# Altium PCB 769BI_LTDC.PcbDoc (part 3 of 3)
Units mm, origin at the board's own origin, x right, y up, seen from the top; angles counter-clockwise.
Board outline 99 x 99 mm, 4 copper layers (Top Layer, GND, VCC_3, Bottom Layer), stack 0.778 mm thick; 232 components, 260 nets, 952 pads, 515 vias.
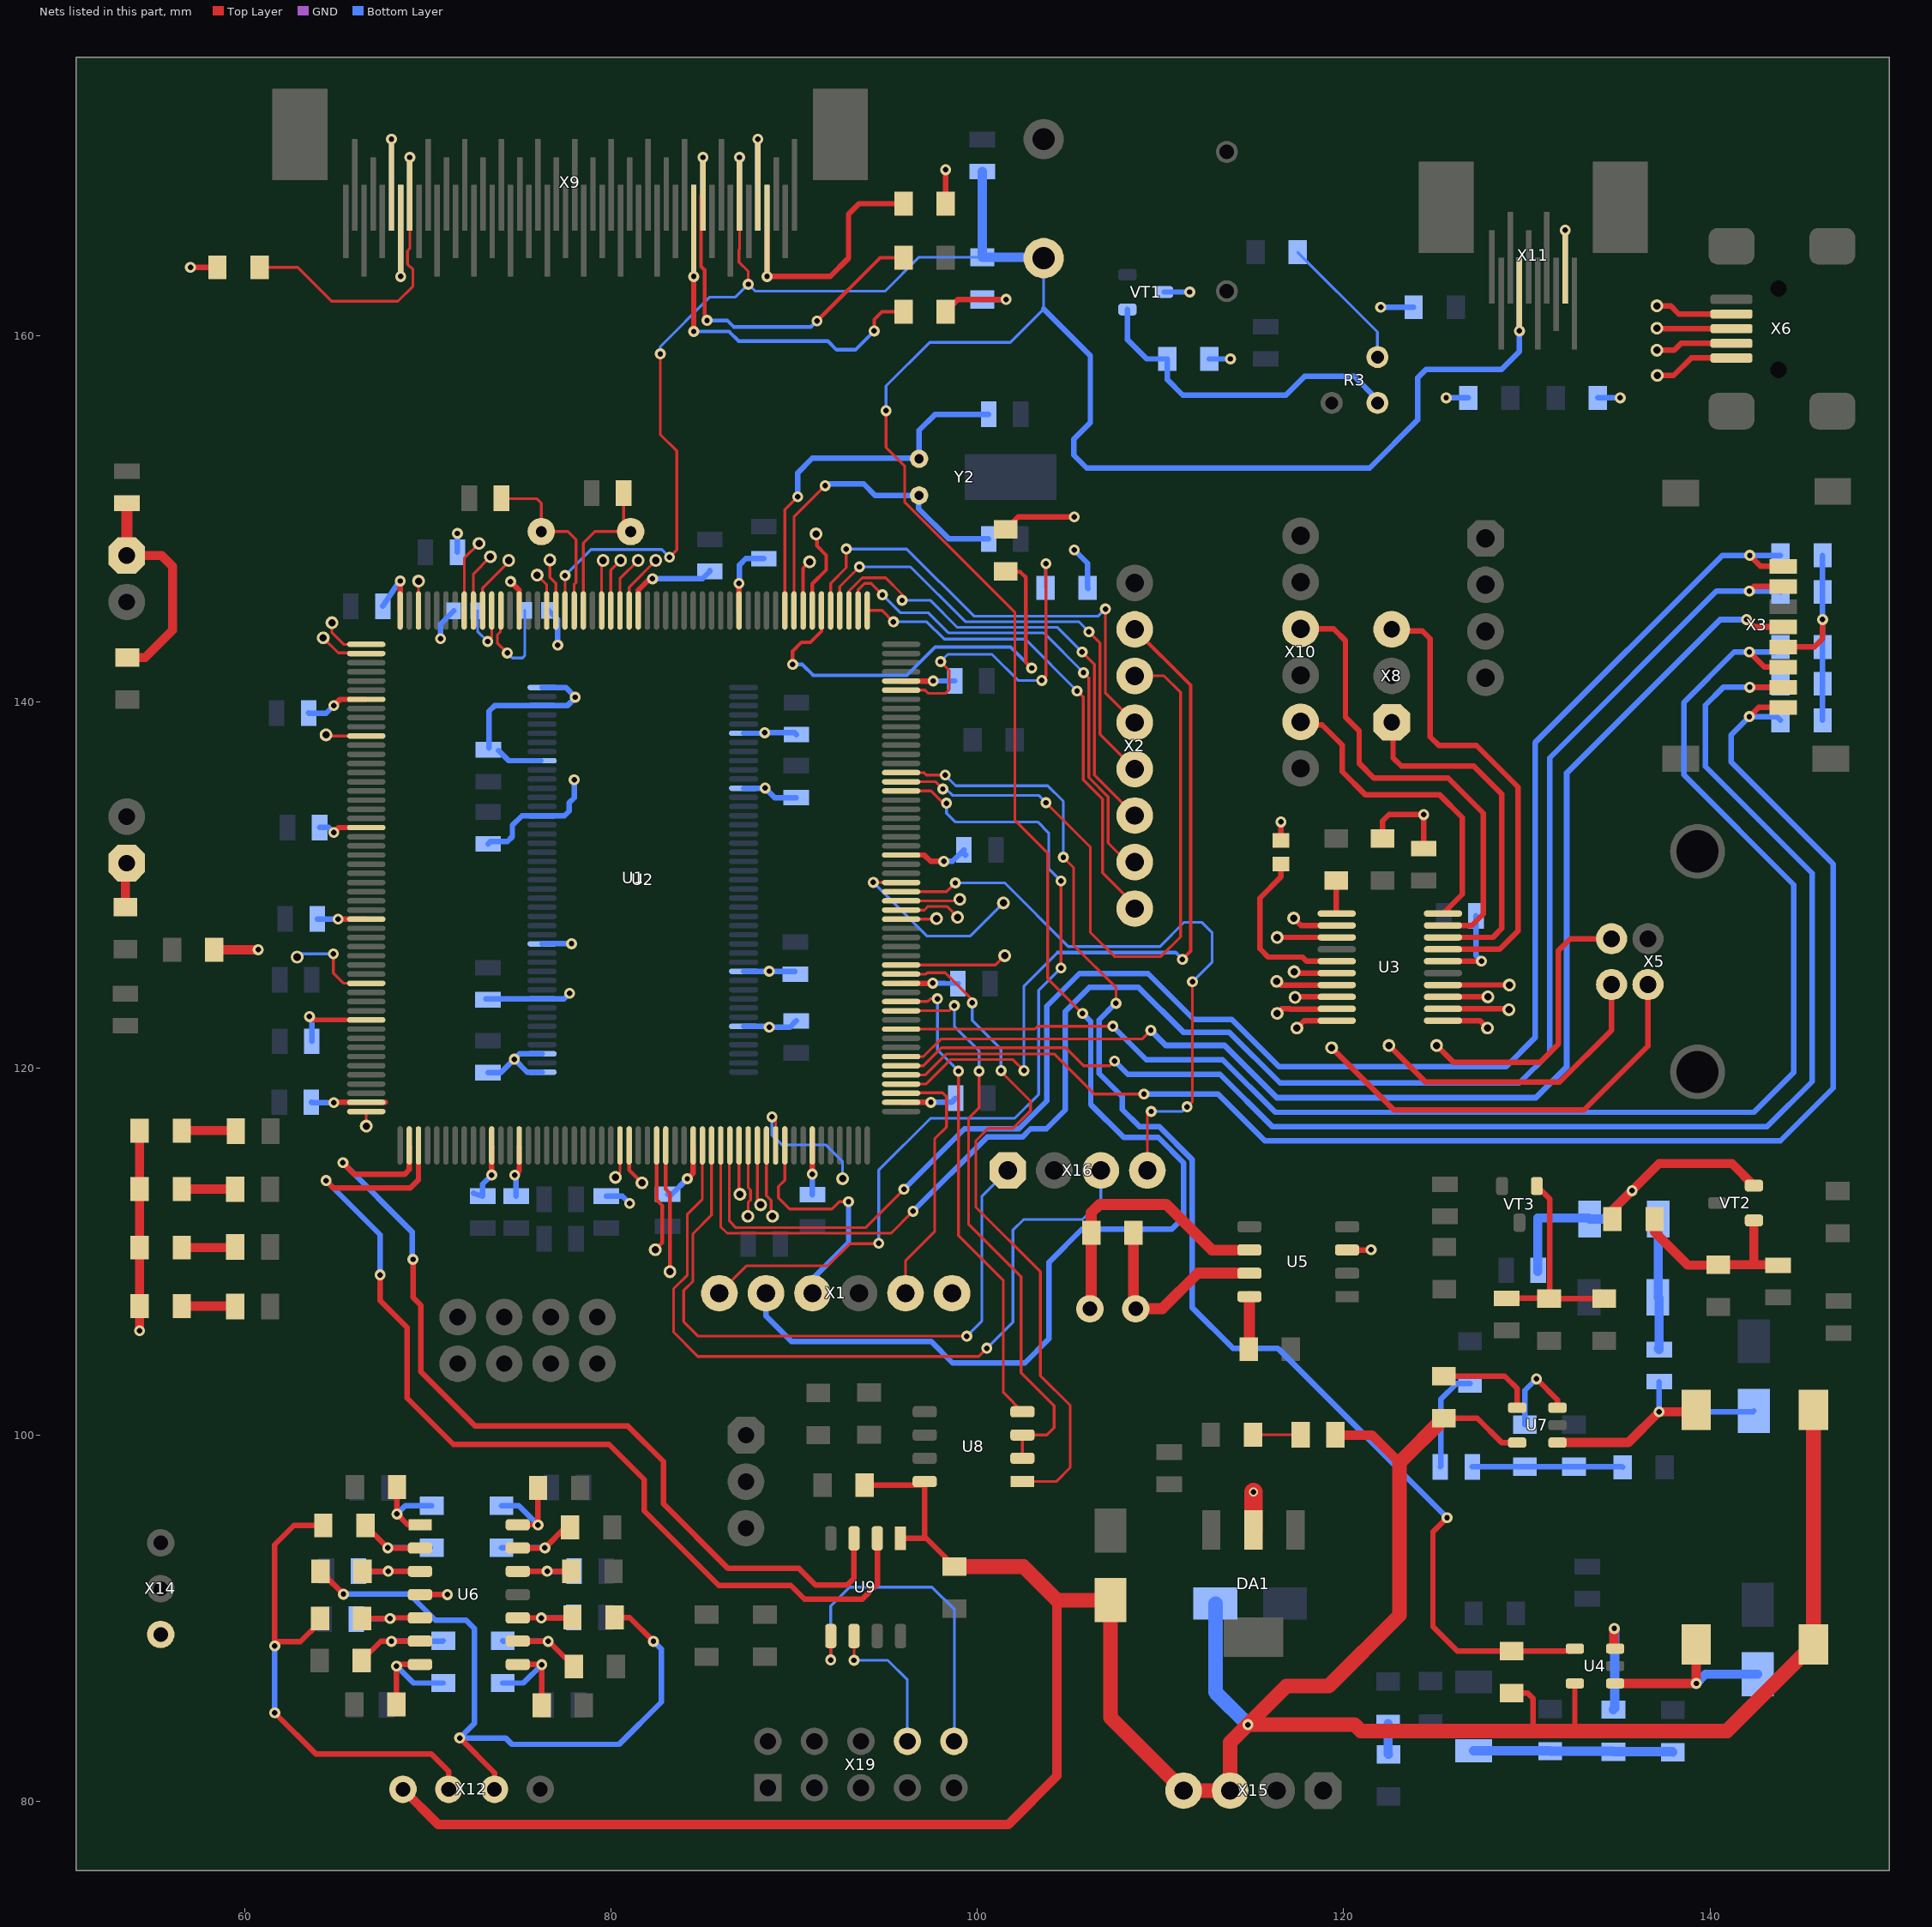
[diagram p5: the nets of this part, all layers, seen from the top]

## Via types
v1: diameter 0.6, hole 0.3, Top Layer to Bottom Layer, 509 vias
v2: diameter 3.5, hole 3.5, Top Layer to Bottom Layer, 4 vias
v3: diameter 0.5, hole 0.3, Top Layer to Bottom Layer, 2 vias

## Nets (pads, with @x,y where several pads share a name; then routed paths per layer and width w, separated by ;. In a path a pad name is that pad's centre, name@x,y a point inside that pad or via, vN(x,y) a via of type N, cw(c..) or ccw(c..) an arc to the next point about the centre after c; other vN are vias at no path point) (continued)
NetC40_1: C40.1 D1.1 R21.2 VT2.2 | length 18.5
  Top Layer w0.5: R21.2@134.675,111.775 134.675,112.25 v1(135.75,113.325) 137.225,114.8 141.2,114.8 VT2.2@142.4,113.6
  Bottom Layer w0.5: C40.1@130.6,108.9 130.6,111.825 133.375,111.825 D1.1@133.425,111.775 134.2,111.775 v1(135.75,113.325)
NetC41_2: C41.2 R21.1 R24.1 VT2.1 | length 10.7
  Top Layer w0.5: R21.1@136.975,111.775 136.975,111.075 138.8,109.25 140.375,109.25 140.425,109.3 R24.1@140.45,109.275 142.425,109.275 ; VT2.1@142.4,111.7 142.4,109.3 142.425,109.275 ; C41.2@143.725,109.25 143.7,109.275 142.425,109.275
NetC44_1: C44.1 L5.2 U7.1 VD3.2 | length 15.2
  Top Layer w0.5: U7.1@131.675,99.575 135.55,99.575 v1(137.225,101.25) 139.152,101.25 L5.2@139.25,101.348
  Bottom Layer w0.3: C44.1@137.225,102.9 v1(137.225,101.25) 142.35,101.25 VD3.2@142.4,101.3
NetC44_2: C44.2 D1.2 D2.1 | length 7.2
  Bottom Layer w0.5: C44.2@137.175,104.7 C44.2@137.225,104.65 137.225,107.45 137.175,107.5 D1.2@137.175,111.775
NetC46_2: C46.2 R32.1 U6.3 | length 4.8
  Top Layer w0.3: R32.1@66.45,92.55 v1(67.85,92.55) 69.578,92.55 U6.3@69.583,92.545
  Bottom Layer w0.3: C46.2@66.225,92.55 v1(67.85,92.55)
NetC47_1: C47.1 R37.1 R41.1 R50.2 | length 8.2
  Bottom Layer w0.3: C47.1@127.025,98.25 R41.1@129.9,98.25 R37.1@132.575,98.25 135.2,98.25 R50.2@135.225,98.225
NetC47_2: C47.2 R38.1 | length 5.6
  Bottom Layer w0.3: C47.2@125.275,98.25 125.3,98.275 125.3,101.925 126.175,102.8 R38.1@126.9,102.8
NetC48_2: C48.2 R39.1 R51.2 VT3.1 | length 11.7
  Top Layer w0.3: C48.2@128.9,107.45 R51.2@131.2,107.45 ; VT3.1@130.55,113.575 131.25,112.875 131.25,107.5 R51.2@131.2,107.45 ; R39.1@134.15,107.425 R51.2@131.225,107.425 R51.2@131.2,107.45
NetC51_2: C51.2 R54.1 U6.5 | length 5
  Top Layer w0.3: R54.1@66.425,89.975 v1(67.95,89.975) 67.98,90.005 U6.5@69.583,90.005
  Bottom Layer w0.3: C51.2@66.1,89.928 66.147,89.975 v1(67.95,89.975)
NetC53_2: C53.2 R61.1 U6.10 | length 4.9
  Top Layer w0.3: U6.10@74.937,90.025 U6.10@74.917,90.005 76.195,90.005 v1(76.2,90) 77.95,90 R61.1@77.975,89.975
  Bottom Layer w0.3: v1(76.2,90) 77.9,90 77.95,90.05 C53.2@77.975,90.025
NetC56_2: C56.2 R69.1 U6.12 | length 4.4
  Top Layer w0.3: U6.12@74.917,92.545 77.845,92.545 R69.1@77.85,92.55
  Bottom Layer w0.3: v1(76.525,92.55) C56.2@78,92.55
NetC57_1: C57.1 R71.1 X20.1 | length 12.2
  Top Layer w0.5: X20.1@53.575,147.995 55.48,147.995 56.075,147.4 56.075,143.925 54.575,142.425 R71.1@53.6,142.425
  Top Layer w0.6: X20.1@53.575,147.995 C57.1@53.575,150.85
NetD3_2: D3.2 R30.1 R33.1 R42.2 | length 10.9
  Bottom Layer w0.5: D3.2@127.1,82.75 131.25,82.75 R30.1@131.275,82.725 134.7,82.725 R33.1@134.725,82.7 137.95,82.7 R42.2@137.975,82.675
NetHL1_1: HL1.1 R23.2 | length 3
  Top Layer w0.5: R23.2@56.575,116.6 59.5,116.6 HL1.1@59.525,116.575
NetHL2_1: HL2.1 R29.2 | length 2.9
  Top Layer w0.5: R29.2@56.575,113.408 59.492,113.408 HL2.1@59.5,113.4
NetHL3_1: HL3.1 R35.2 | length 2.9
  Top Layer w0.5: R35.2@56.575,110.217 59.467,110.217 HL3.1@59.5,110.25
NetHL4_1: HL4.1 R40.2 | length 2.9
  Top Layer w0.5: R40.2@56.575,107.025 59.475,107.025 HL4.1@59.5,107
NetHL5_2: HL5.2 R55.2 | length 2.6
  Top Layer w0.152: R55.2@115.05,100 HL5.2@117.65,100
NetL1_1: L1.1 U1.41 | length 6.2
  Top Layer w0.152: U1.41@73.997,144.993 73.969,144.965 73.969,143.819 73.801,143.651 73.801,143.521 73.803,143.519 73.803,143.222 v1(74.35,142.675)
  Bottom Layer w0.152: v1(74.35,142.675) 74.625,142.4 75.175,142.4 75.3,142.525 L1.1@75.3,145
NetL2_1: L2.1 U1.42 | length 3.7
  Top Layer w0.152: v1(73.275,143.3) 73.497,143.522 U1.42@73.497,144.993
  Bottom Layer w0.152: L2.1@72.725,144.975 72.725,143.85 v1(73.275,143.3)
NetL3_2: L3.2 U3.5 | length 9.6
  Top Layer w0.3: L3.2@116.575,131.15 116.575,130.45 115.425,129.3 115.425,126.525 115.875,126.075 117.75,126.075 117.975,125.85 U3.5@119.625,125.85
NetL4_2: L4.2 U4.1 VD2.2 | length 10.1
  Top Layer w0.5: U4.1@134.825,86.425 v1(139.25,86.425) L4.2@139.25,88.55
  Bottom Layer w0.5: v1(139.25,86.425) 139.75,86.925 VD2.2@142.6,86.925
NetR1_1: R1.1 X9.8 | length 14.7
  Top Layer w0.152: R1.1@60.822,163.725 62.9,163.725 64.75,161.875 68.375,161.875 69.199,162.699 69.199,163.601 68.903,163.897 68.903,164.625 69.025,164.747 X9.8@69.025,167.725
  other v1: 69.025,169.725
NetR2_2: R2.2 R3.3 VT1.1 | length 18.3
  Bottom Layer w0.3: VT1.1@108.2,161.425 108.2,159.775 109.25,158.725 R2.2@110.375,158.725 110.375,157.6 111.225,156.75 116.85,156.75 117.875,157.775 120.575,157.775 121.85,156.5 R3.3@121.85,156.325
NetR3_2: R3.2 R4.2 | length 7.5
  Bottom Layer w0.152: R4.2@117.5,164.55 121.85,160.2 R3.2@121.85,158.825
NetR10_2: R10.2 U1.6 | length 24.6
  Top Layer w0.2: v1(89.925,142.05) 89.925,142.775 90.407,143.257 90.893,143.257 91.5,143.864 U1.6@91.5,145 ; R10.2@101.55,147.125 101.575,147.1 102.35,147.1 102.65,146.8 102.65,142.175 v1(102.975,141.85)
  Bottom Layer w0.2: v1(89.925,142.05) 90.45,142.05 91.047,141.453 96.153,141.453 97.7,143 101.825,143 v1(102.975,141.85)
NetR14_1: R14.1 X9.39 | length 18.6
  Top Layer w0.2: v1(94.375,160.25) 94.375,160.875 94.8,161.3 R14.1@95.975,161.3
  Top Layer w0.3: v1(84.525,160.225) v1(84.525,163.225) X9.39@84.525,165.725
  Bottom Layer w0.2: v1(84.525,160.225) 86.45,160.225 86.975,159.7 91.85,159.7 92.325,159.225 93.35,159.225 v1(94.375,160.25)
NetR15_1: R15.1 X9.40 | length 19.5
  Top Layer w0.2: X9.40@85.025,167.725 84.927,167.627 84.927,163.773 85.123,163.577 85.123,160.952 v1(85.25,160.825) ; v1(91.25,160.8) 94.7,164.25 R15.1@95.975,164.25
  Bottom Layer w0.2: v1(85.25,160.825) 86.348,160.825 86.699,160.474 90.924,160.474 v1(91.25,160.8)
  other v1: 85.025,169.725
NetR16_1: R16.1 X9.47 | length 13
  Top Layer w0.3: X9.47@88.525,165.725 v1(88.525,163.225) 91.975,163.225 92.975,164.225 92.975,166.625 93.55,167.2 R16.1@95.975,167.2
NetR17_2: R17.2 U3.1 | length 1.8
  Top Layer w0.3: R17.2@119.6,130.25 119.6,128.475 U3.1@119.625,128.45
NetR26_1: R26.1 R27.2 U6.2 | length 5.8
  Top Layer w0.3: R26.1@66.6,95.05 v1(67.825,93.825) 67.835,93.815 U6.2@69.583,93.815
  Bottom Layer w0.3: v1(67.825,93.825) R27.2@70.147,93.825
NetR27_1: R27.1 R31.2 U6.1 | length 5
  Top Layer w0.3: R31.2@68.325,97.15 v1(68.325,95.675) 68.905,95.095 U6.1@69.573,95.095
  Bottom Layer w0.3: v1(68.325,95.675) 68.775,96.125 R27.1@70.225,96.125
NetR28_1: R28.1 U5.8 | length 2.9
  Top Layer w0.6: R28.1@114.825,104.675 114.858,104.708 U5.8@114.858,107.545
NetR33_2: R33.2 U4.3 | length 5.6
  Top Layer w0.5: v1(134.775,89.425) 134.75,89.4 134.75,88.4 U4.3@134.825,88.325
  Bottom Layer w0.5: R33.2@134.725,85 134.8,85.075 134.8,89.425 v1(134.775,89.425)
NetR36_1: R36.1 U5.6 X13.2 | length 15
  Top Layer w0.6: X13.2@106.225,106.95 R36.1@106.225,111.025 106.225,112.125 106.675,112.575 110.325,112.575 112.825,110.075 114.848,110.075 U5.6@114.858,110.085
NetR36_2: R36.2 U5.7 X13.1 | length 11.2
  Top Layer w0.6: R36.2@108.525,111.025 108.525,107 X13.1@108.65,106.875 110.1,106.875 112.05,108.825 114.848,108.825 U5.7@114.858,108.815
NetR41_2: R41.2 U7.3 | length 4.8
  Top Layer w0.3: v1(130.525,103.05) 131.675,101.9 U7.3@131.675,101.475
  Bottom Layer w0.3: R41.2@129.9,100.55 129.9,102.425 v1(130.525,103.05)
NetR45_1: R45.1 R49.1 | length 1.7
  Bottom Layer w0.5: R45.1@122.425,84.225 122.425,82.575 R49.1@122.45,82.55
NetR46_1: R46.1 U7.4 | length 5.3
  Top Layer w0.3: R46.1@125.475,103.2 128.8,103.2 129.475,102.525 U7.4@129.475,101.475
NetR47_1: R47.1 R48.2 U6.6 | length 6.5
  Top Layer w0.3: R47.1@66.4,87.675 67.45,88.725 v1(68.025,88.725) 69.573,88.725 U6.6@69.583,88.735
  Bottom Layer w0.3: v1(68.025,88.725) 70.825,88.725 R48.2@70.85,88.75
NetR48_1: R48.1 R53.2 U6.7 | length 6.4
  Top Layer w0.3: R53.2@68.3,85.275 v1(68.3,87.375) 68.39,87.465 U6.7@69.583,87.465
  Bottom Layer w0.3: v1(68.3,87.375) 69.225,86.45 R48.1@70.85,86.45
NetR57_1: R57.1 R58.2 U6.9 | length 6.1
  Top Layer w0.3: U6.9@74.917,88.735 76.565,88.735 v1(76.575,88.725) 76.6,88.725 R57.1@77.975,87.35
  Bottom Layer w0.3: R58.2@74.1,88.75 74.125,88.725 v1(76.575,88.725)
NetR58_1: R58.1 R60.2 U6.8 | length 6.1
  Top Layer w0.3: U6.8@74.917,87.465 76.21,87.465 v1(76.225,87.45) R60.2@76.225,85.225
  Bottom Layer w0.3: R58.1@74.1,86.45 75.225,86.45 v1(76.225,87.45)
NetR64_1: R64.1 X18.1 | length 2.4
  Top Layer w0.5: R64.1@53.5,128.803 53.5,131.13 X18.1@53.575,131.205
NetR65_1: R65.1 R66.2 U6.13 | length 5.7
  Top Layer w0.3: U6.13@74.917,93.815 76.39,93.815 v1(76.4,93.825) 77.525,94.95 R65.1@77.775,94.95
  Bottom Layer w0.3: R66.2@74.025,93.825 v1(76.4,93.825)
NetR66_1: R66.1 R68.2 U6.14 | length 5.6
  Top Layer w0.3: U6.14@74.917,95.085 76.015,95.085 v1(76.025,95.075) R68.2@76.025,97.1
  Bottom Layer w0.3: R66.1@74.025,96.125 74.975,96.125 v1(76.025,95.075)
NetT1_1: T1.1 U1.43 | length 3.3
  Top Layer w0.152: U1.43@72.997,144.993 72.997,146.222 74.425,147.65 T1.1@74.425,147.725
NetT2_1: T2.1 U1.44 | length 3.3
  Top Layer w0.152: U1.44@72.497,144.993 72.497,146.997 T2.1@73.425,147.925
NetT3_1: T3.1 U1.45 | length 4
  Top Layer w0.152: U1.45@71.997,144.993 71.997,147.847 T3.1@72.8,148.65
NetT4_1: T4.1 U1.63 | length 2.2
  Top Layer w0.152: T4.1@64.45,138.2 64.507,138.143 U1.63@66.647,138.143
NetT5_1: T5.1 U1.50 | length 1.6
  Top Layer w0.152: U1.50@69.497,144.993 69.497,146.597 T5.1@69.5,146.6
NetT6_1: T6.1 U1.53 | length 2.7
  Top Layer w0.152: T6.1@64.775,144.325 64.775,143.775 65.407,143.143 U1.53@66.647,143.143
NetT7_1: T7.1 U1.54 | length 2.7
  Top Layer w0.152: T7.1@64.3,143.5 65.122,142.678 66.612,142.678 U1.54@66.647,142.643
NetT8_1: T8.1 U1.27 | length 3.3
  Top Layer w0.152: U1.27@80.997,144.993 80.997,146.272 T8.1@82.45,147.725
NetT9_1: T9.1 U1.28 | length 3.1
  Top Layer w0.152: U1.28@80.497,144.993 80.497,146.73 T9.1@81.492,147.725
NetT10_1: T10.1 U1.142 | length 2.7
  Top Layer w0.152: U1.142@86.997,115.793 86.997,113.178 T10.1@87.05,113.125
NetT11_1: T11.1 U1.29 | length 3
  Top Layer w0.152: U1.29@79.997,144.993 80,144.996 80,147.192 T11.1@80.533,147.725
NetT12_1: T12.1 U1.7 | length 4.7
  Top Layer w0.2: U1.7@90.997,144.993 90.997,146.447 91.758,147.208 91.758,148.011 91.25,148.519 91.25,149.125 T12.1@91.2,149.175
NetT13_1: T13.1 U1.143 | length 4
  Top Layer w0.152: T13.1@87.475,111.925 87.497,111.947 87.497,112.689 87.628,112.82 87.628,113.364 87.497,113.495 U1.143@87.497,115.793
NetT14_1: T14.1 U1.30 | length 2.8
  Top Layer w0.152: U1.30@79.497,144.993 79.497,147.647 T14.1@79.575,147.725
NetT15_1: T15.1 U1.144 | length 3.3
  Top Layer w0.152: U1.144@87.997,115.793 87.997,112.728 T15.1@88.175,112.55
NetT16_1: T16.1 U1.90 | length 5.1
  Top Layer w0.152: v1(64.85,126.25) 64.85,125.2 65.4,124.65 66.64,124.65 U1.90@66.647,124.643
  Bottom Layer w0.152: T16.1@62.875,126.075 63.05,126.25 v1(64.85,126.25)
NetT17_1: T17.1 U1.145 | length 4
  Top Layer w0.152: U1.145@88.497,115.793 88.497,113.045 88.753,112.789 88.753,111.997 T17.1@88.825,111.925
NetT18_1: T18.1 U1.146 | length 8
  Top Layer w0.152: v1(88.8,117.35) 88.997,117.153 U1.146@88.997,115.793
  Bottom Layer w0.152: v1(88.8,117.35) 88.8,116.35 89.325,115.825 91.725,115.825 92.65,114.9 T18.1@92.65,113.975
NetT19_1: T19.1 U1.104 | length 0.8
  Top Layer w0.152: U1.104@66.647,117.643 66.647,116.853 T19.1@66.65,116.85
NetT20_1: T20.1 U1.35 | length 2.9
  Top Layer w0.152: T20.1@76.675,147.75 76.675,146.8 76.997,146.478 U1.35@76.997,144.993
NetT21_1: T21.1 U1.36 | length 2.1
  Top Layer w0.152: T21.1@75.975,146.925 76.497,146.403 U1.36@76.497,144.993
NetT22_1: T22.1 U1.129 | length 1.8
  Top Layer w0.152: T22.1@80.25,114.05 80.497,114.297 U1.129@80.497,115.793
NetT23_1: T23.1 U1.130 | length 2.3
  Top Layer w0.2: U1.130@80.997,115.793 80.997,114.453 T23.1@81.7,113.75
NetT24_1: T24.1 U1.133 | length 6
  Top Layer w0.2: T24.1@82.425,110.1 82.8,110.475 82.8,112.525 82.497,112.828 U1.133@82.497,115.793
NetT25_1: T25.1 U1.173 | length 5.9
  Top Layer w0.152: U1.173@95.847,125.643 100.993,125.643 T25.1@101.5,126.15
NetT26_1: T26.1 U1.134 | length 7
  Top Layer w0.2: U1.134@82.997,115.793 82.997,113.403 83.225,113.175 T26.1@83.225,108.9
NetT27_1: T27.1 U1.178 | length 1.9
  Top Layer w0.152: U1.178@95.847,128.143 97.743,128.143 T27.1@97.775,128.175
NetT28_1: T28.1 U1.179 | length 3.4
  Top Layer w0.152: U1.179@95.847,128.643 97.118,128.643 97.314,128.839 98.336,128.839 T28.1@98.925,128.25
NetT29_1: T29.1 U1.180 | length 3.2
  Top Layer w0.152: U1.180@95.847,129.143 98.968,129.143 T29.1@99.05,129.225
NetT30_1: T30.1 U1.8 | length 2.8
  Top Layer w0.2: U1.8@90.497,144.993 90.497,147.297 T30.1@90.85,147.65
NetT31_1: T31.1 U1.182 | length 10.6
  Top Layer w0.152: v1(94.325,130.15) 94.332,130.143 U1.182@95.847,130.143
  Bottom Layer w0.152: v1(94.325,130.15) 97.25,127.225 99.625,127.225 T31.1@101.425,129.025
NetT32_1: T32.1 X5.1 | length 15.7
  Top Layer w0.3: T32.1@125.075,121.25 126,120.325 130.725,120.325 131.725,121.325 131.725,126.425 132.375,127.075 X5.1@134.625,127.075
NetT33_1: T33.1 X6.1 | length 4.4
  Top Layer w0.3: T33.1@137.125,157.825 138.025,157.825 138.975,158.775 X6.1@141.175,158.775
NetT34_1: T34.1 U3.8 | length 2.3
  Top Layer w0.3: T34.1@117.35,123.875 117.375,123.9 U3.8@119.625,123.9
NetT35_1: T35.1 U3.7 | length 3.4
  Top Layer w0.3: T35.1@116.35,124.75 116.55,124.55 U3.7@119.625,124.55
NetT36_1: T36.1 U3.6 | length 2.4
  Top Layer w0.3: T36.1@117.3,125.275 117.375,125.2 U3.6@119.625,125.2
NetT37_1: T37.1 X5.2 | length 16.6
  Top Layer w0.3: T37.1@122.475,121.25 124.475,119.25 131.8,119.25 134.625,122.075 X5.2@134.625,124.575
NetT38_1: T38.1 X6.2 | length 4.2
  Top Layer w0.3: T38.1@137.103,159.2 138.05,159.2 138.425,159.575 X6.2@141.175,159.575
NetT39_1: T39.1 U3.14 | length 3.4
  Top Layer w0.3: U3.14@125.425,124.55 125.425,124.552 T39.1@128.85,124.552
NetT40_1: T40.1 X5.3 | length 23.5
  Top Layer w0.3: T40.1@119.35,121.125 122.75,117.725 133.125,117.725 136.615,121.215 X5.3@136.615,124.575
NetT41_1: T41.1 X6.3 | length 4
  Top Layer w0.3: T41.1@137.128,160.375 X6.3@141.175,160.375
NetT42_1: T42.1 U3.10 | length 2.3
  Top Layer w0.3: T42.1@117.45,122.2 117.85,122.6 U3.10@119.625,122.6
NetT43_1: T43.1 U3.9 | length 3.4
  Top Layer w0.3: T43.1@116.375,123 116.625,123.25 117.053,123.25 117.08,123.223 119.625,123.223 U3.9@119.625,123.25
NetT44_1: T44.1 U3.2 | length 2.5
  Top Layer w0.3: T44.1@117.275,128.2 117.675,127.8 U3.2@119.625,127.8
NetT45_1: T45.1 X6.4 | length 4.3
  Top Layer w0.3: T45.1@137.103,161.625 137.85,161.625 138.3,161.175 X6.4@141.175,161.175
NetT46_1: T46.1 U3.3 | length 3.3
  Top Layer w0.3: T46.1@116.375,127.15 U3.3@119.625,127.15
NetT47_1: T47.1 U3.11 | length 2.6
  Top Layer w0.3: U3.11@125.425,122.6 127.45,122.6 T47.1@127.85,122.2
NetT48_1: T48.1 U3.12 | length 3.6
  Top Layer w0.3: U3.12@125.425,123.25 125.425,123.248 128.145,123.248 128.147,123.25 128.975,123.25 T48.1@129.025,123.2
NetT49_1: T49.1 U3.13 | length 2.4
  Top Layer w0.3: U3.13@125.425,123.9 T49.1@127.875,123.9
NetU3_17: U3.17 X8.3 | length 26
  Top Layer w0.3: X8.3@122.625,143.965 122.715,143.875 124.3,143.875 124.725,143.45 124.725,138.1 125.2,137.625 127.25,137.625 129.525,135.35 129.525,127.5 128.525,126.5 U3.17@125.425,126.5
NetU3_18: U3.18 X8.1 | length 19.5
  Top Layer w0.3: X8.1@122.625,138.885 122.7,138.81 122.7,136.95 123.15,136.5 127.1,136.5 128.625,134.975 128.625,127.625 128.15,127.15 U3.18@125.425,127.15
NetU3_19: U3.19 X10.4 | length 25.6
  Top Layer w0.3: X10.4@117.65,143.995 119.455,143.995 120.1,143.35 120.1,139.175 120.85,138.425 120.85,136.65 121.65,135.85 125.7,135.85 127.625,133.925 127.625,128.425 127,127.8 U3.19@125.425,127.8
NetU3_20: U3.20 X10.2 | length 17.5
  Top Layer w0.3: X10.2@117.65,138.915 117.815,138.75 118.825,138.75 119.925,137.65 119.925,136.2 121.2,134.925 125.25,134.925 126.475,133.7 126.475,129.5 U3.20@125.425,128.45
OSC_32_IN: C3.2 U1.9 Y2.1 | length 18.2
  Top Layer w0.152: U1.9@89.997,144.993 89.997,150.097 v1(91.7,151.8)
  Bottom Layer w0.3: v1(91.7,151.8) 91.8,151.9 93.8,151.9 94.425,151.275 Y2.1@96.825,151.275 96.8,151.25 96.8,150.55 98.45,148.9 C3.2@100.625,148.9
OSC_32_OUT: C4.2 U1.10 Y2.2 | length 20.5
  Top Layer w0.152: U1.10@89.497,144.993 89.497,150.497 v1(90.2,151.2)
  Bottom Layer w0.3: v1(90.2,151.2) 90.2,152.5 91,153.3 96.8,153.3 Y2.2@96.825,153.275 96.825,154.825 97.7,155.7 C4.2@100.625,155.7
PDR: R5.2 U1.203 | length 18.6
  Top Layer w0.152: U1.203@95.847,140.643 97.157,140.643 97.325,140.475 98.275,140.475 98.475,140.675 98.475,141.725 v1(98,142.2) ; v1(103.525,141.175) 103.75,141.4 v1(103.75,147.55)
  Bottom Layer w0.152: v1(98,142.2) 98.4,142.6 100.8,142.6 102.225,141.175 v1(103.525,141.175) ; R5.2@103.725,146.225 103.725,147.525 v1(103.75,147.55)
PRESS1: R26.2 R54.2 X12.3 | length 27.5
  Top Layer w0.3: v1(61.65,84.825) 63.9,82.575 70.2,82.575 71.15,81.625 X12.3@71.15,80.65 ; R54.2@64,90.1 R54.2@64.125,89.975 64.125,89.775 63.05,88.7 61.875,88.7 v1(61.65,88.475) 61.65,94 62.7,95.05 R26.2@64.3,95.05
  Bottom Layer w0.3: v1(61.65,84.825) v1(61.65,88.475)
PRESS2: R32.2 R61.2 X12.2 | length 37.8
  Top Layer w0.3: R32.2@64.375,92.55 64.375,92.325 v1(65.4,91.3) ; v1(71.75,83.45) 73.65,81.55 X12.2@73.65,80.65 ; R61.2@80.2,90.025 81.025,90.025 v1(82.325,88.725)
  Bottom Layer w0.3: v1(65.4,91.3) 69,91.3 70.425,89.875 72.1,89.875 72.55,89.425 72.55,84.25 v1(71.75,83.45) 74.25,83.45 74.6,83.1 80.45,83.1 82.75,85.4 82.75,88.3 v1(82.325,88.725)
PWM_LED: R34.1 U1.194 U4.4 | length 74.5
  Top Layer w0.152: U1.194@95.847,136.143 97.068,136.143 97.075,136.15 97.225,136 97.232,136.007 v1(98.255,136.007) ; v1(104.7,131.525) 105.263,130.962 105.263,126.727 107.575,124.415 v1(107.575,123.55)
  Top Layer w0.3: v1(125.65,95.475) 124.875,94.7 124.875,89.525 126.2,88.2 R34.1@129.175,88.2 U4.4@132.4,88.2
  Bottom Layer w0.152: v1(98.255,136.007) 98.255,135.995 98.825,135.425 103.85,135.425 104.7,134.575 v1(104.7,131.525)
  Bottom Layer w0.3: v1(107.575,123.55) 107.55,123.55 106.652,122.652 106.652,119.723 107.92,118.455 107.92,117.755 108.85,116.825 109.925,116.825 111.725,115.025 111.725,106.95 113.95,104.725 116.4,104.725 v1(125.65,95.475)
RCC_OSC_IN: C1.2 U1.32 Y1.1 | length 8.8
  Top Layer w0.152: U1.32@78.497,144.993 78.497,148.672 79.125,149.3 Y1.1@81.08,149.3 80.7,149.68 C1.2@80.7,151.4
RCC_OSC_OUT: C2.2 U1.33 Y1.2 | length 9.9
  Top Layer w0.152: C2.2@74.025,151.125 74.05,151.1 75.95,151.1 76.2,150.85 Y1.2@76.2,149.3 77.65,149.3 78.1,148.85 78.1,146.525 77.997,146.422 U1.33@77.997,144.993 U1.33@78.025,145.021
RESET: C16.2 R13.2 SA1.1 U1.34 X1.5 X9.44 X11.7 | length 189.3
  Top Layer w0.152: U1.34@77.497,144.993 v1(77.497,146.903) ; v1(82.7,159) 82.7,154.6 83.6,153.7 83.6,148.3 v1(83.2,147.9) ; X9.44@87.025,166.975 87.025,164.722 86.997,164.694 86.997,164.003 87.5,163.5 v1(87.5,162.8) ; v1(95.025,155.9) 95.025,153.9 96.036,152.889 96.036,150.914 102.05,144.9 102.05,133.56 103.85,131.76 103.85,124.9 v1(105.75,123)
  Bottom Layer w0.152: v1(77.497,146.903) 78.916,148.322 82.778,148.322 v1(83.2,147.9) ; v1(82.7,159) 82.7,159.4 85.4,162.1 86.8,162.1 v1(87.5,162.8) 87.875,162.425 94.975,162.425 96.825,164.275 R13.2@100.275,164.275 ; v1(95.025,155.9) 95.025,157.25 97.4,159.625 101.8,159.625 103.625,161.45 SA1.1@103.625,164.225
  Bottom Layer w0.3: X1.5@88.465,107.725 88.465,106.485 89.85,105.1 97.481,105.1 98.656,103.925 102.6,103.925 103.925,105.25 103.925,109.425 105.725,111.225 110.623,111.225 111.273,111.875 111.273,114.838 109.886,116.225 108,116.225 106.2,118.025 106.2,122.55 v1(105.75,123) ; 103.625,161.45 106.175,158.9 106.175,155.25 105.275,154.35 105.275,153.475 105.975,152.775 121.426,152.775 124.05,155.399 124.05,157.7 124.5,158.15 128.625,158.15 129.6,159.125 X11.7@129.6,160.5
  Bottom Layer w0.5: C16.2@100.275,168.95 R13.2@100.275,164.275 103.575,164.275 SA1.1@103.625,164.225
  other v1: 129.6,160.25 87.025,169.725
SDMMC1_CK: U1.163 X3.5 | length 70.6
  Top Layer w0.152: U1.163@95.847,120.643 97.068,120.643 98.025,121.6 109,121.6 v1(109.475,122.075)
  Top Layer w0.32: v1(142,144.5) 142.4,144.1 X3.5@144,144.1
  Bottom Layer w0.32: v1(109.475,122.075) 110.3,121.25 113.5,121.25 116.35,118.4 130.5,118.4 132.175,120.075 132.175,136.125 140.55,144.5 v1(142,144.5)
SDMMC1_CMD: R8.1 U1.166 X3.3 | length 83
  Top Layer w0.152: U1.166@95.847,122.143 103.143,122.143 103.3,122.3 v1(107.4,122.3)
  Top Layer w0.3: v1(142.15,142.725) 142.975,141.9 X3.3@144,141.9
  Bottom Layer w0.3: v1(107.4,122.3) 109.225,120.475 113.4,120.475 116.275,117.6 142.4,117.6 144.575,119.775 144.575,130.025 138.575,136.025 138.575,139.975 141.325,142.725 v1(142.15,142.725) 143.575,142.725 R8.1@143.85,143
SDMMC1_D0: R12.1 U1.140 X3.7 | length 95.8
  Top Layer w0.152: U1.140@85.997,115.793 85.997,111.353 86.35,111 95.3,111 v1(96.5,112.2)
  Top Layer w0.3: v1(142.15,146.05) 142.4,146.3 X3.7@144,146.3
  Bottom Layer w0.3: v1(96.5,112.2) 100.548,116.248 102.462,116.248 102.914,116.7 103.775,116.7 104.8,117.725 104.8,123.1 106.125,124.425 108.8,124.425 111.25,121.975 113.75,121.975 116.525,119.2 129.6,119.2 131.25,120.85 131.25,136.95 140.35,146.05 v1(142.15,146.05) 143.8,146.05 R12.1@143.85,146
SDMMC1_D1: R11.2 U1.141 X3.8 | length 95.6
  Top Layer w0.152: U1.141@86.497,115.793 86.472,115.768 86.472,111.658 86.826,111.304 93.904,111.304 v1(96,113.4)
  Top Layer w0.3: v1(142.175,148) 142.775,147.4 X3.8@144,147.4
  Bottom Layer w0.3: v1(96,113.4) 99.3,116.7 102.275,116.7 103.8,118.225 103.8,123.4 105.575,125.175 109.325,125.175 111.825,122.675 113.9,122.675 116.475,120.1 128.875,120.1 130.45,121.675 130.45,137.775 140.675,148 v1(142.175,148) R11.2@143.85,148
SDMMC1_D2: R6.1 U1.161 X3.1 | length 81.3
  Top Layer w0.152: U1.161@95.847,119.643 97.168,119.643 98.307,120.782 104.218,120.782 106.4,118.6 v1(109.1,118.6)
  Top Layer w0.3: v1(142.15,139.2) 142.65,139.7 X3.1@144,139.7
  Bottom Layer w0.3: v1(109.1,118.6) 113.15,118.6 115.7,116.05 143.85,116.05 146.725,118.925 146.725,131.15 141.15,136.725 141.15,138.2 v1(142.15,139.2) 143.65,139.2 R6.1@143.85,139
SDMMC1_D3: R7.1 U1.162 X3.2 | length 82.5
  Top Layer w0.152: U1.162@95.847,120.143 97.068,120.143 98.051,121.126 104.824,121.126 105.807,120.143 107.243,120.143 v1(107.5,120.4)
  Top Layer w0.3: v1(142.175,140.8) X3.2@144,140.8
  Bottom Layer w0.3: v1(107.5,120.4) 108.225,119.675 113.25,119.675 116.1,116.825 143.125,116.825 145.575,119.275 145.575,130.65 139.75,136.475 139.75,139.825 140.725,140.8 v1(142.175,140.8) 143.65,140.8 R7.1@143.85,141
SWCLK: U1.159 X1.2 | length 14.2
  Top Layer w0.152: U1.159@95.847,118.643 95.875,118.671 98.104,118.671 98.325,118.45 98.325,116.8 97.675,116.15 97.675,111.075 96.085,109.485 X1.2@96.085,107.725
SWDIO: U1.147 X1.4 | length 13.1
  Top Layer w0.152: U1.147@89.497,115.793 89.497,113.902 89.147,113.552 89.147,112.931 89.753,112.325 92.075,112.325 92.475,112.725 v1(92.975,112.725)
  Bottom Layer w0.3: X1.4@91.005,107.725 91.005,108.505 92.975,110.475 v1(92.975,112.725)
SWO: U1.192 X1.6 | length 48.6
  Top Layer w0.152: X1.6@85.925,107.725 87.425,109.225 91.85,109.225 93.05,110.425 94.6,110.425 v1(94.625,110.45) ; U1.192@95.847,135.143 97.485,135.143 98.153,134.475 v1(98.325,134.475) ; v1(104.575,125.475) v1(104.575,130.225)
  Bottom Layer w0.152: v1(94.625,110.45) 94.625,114.45 97.45,117.275 102.05,117.275 103.355,118.58 103.355,124.255 v1(104.575,125.475) ; v1(98.325,134.475) 98.325,133.925 98.8,133.45 103.3,133.45 103.9,132.85 103.9,130.9 v1(104.575,130.225)
TDI: U1.160 X2.7 | length 41.2
  Top Layer w0.152: U1.160@95.847,119.143 97.193,119.143 98.528,120.478 101.947,120.478 v1(102.55,119.875)
  Top Layer w0.2: X2.7@108.6,143.96 111.65,140.91 111.65,126.4 v1(111.2,125.95)
  Bottom Layer w0.152: v1(102.55,119.875) 102.55,124.5 104.375,126.325
  Bottom Layer w0.2: 104.375,126.325 110.825,126.325 v1(111.2,125.95)
TRACE_CLK: U1.1 X2.1 | length 26.8
  Top Layer w0.152: U1.1@93.997,144.993 94.807,144.993 v1(95.425,144.375) ; v1(105.45,140.6) 105.784,140.266 105.784,135.756 106.846,134.694 106.846,130.679 X2.1@108.975,128.55
  Bottom Layer w0.152: v1(95.425,144.375) 97.25,144.375 98.2,143.425 102.625,143.425 v1(105.45,140.6)
TRACE_D0: U1.2 X2.2 | length 27.3
  Top Layer w0.152: U1.2@93.497,144.993 93.497,146.122 93.85,146.475 94.2,146.475 v1(94.825,145.85) ; v1(105.8,141.6) 106.088,141.312 106.088,135.882 107.15,134.82 107.15,132.3 108.19,131.26 X2.2@108.6,131.26
  Bottom Layer w0.152: v1(94.825,145.85) 95.8,144.875 97.325,144.875 98.425,143.775 103.625,143.775 v1(105.8,141.6)
TRACE_D1: U1.3 X2.3 | length 26.1
  Top Layer w0.152: U1.3@92.997,144.993 92.997,146.052 93.724,146.779 94.996,146.779 95.9,145.875 v1(95.9,145.55) ; v1(105.725,142.725) 106.392,142.058 106.392,136.008 X2.3@108.6,133.8
  Bottom Layer w0.152: v1(95.9,145.55) 97.425,145.55 98.896,144.079 104.371,144.079 v1(105.725,142.725)
TRACE_D2: U1.4 X2.4 | length 25.3
  Top Layer w0.152: U1.4@92.497,144.993 92.497,146.297 v1(93.575,147.375) ; v1(106.1,143.825) 106.696,143.229 106.696,138.244 X2.4@108.6,136.34
  Bottom Layer w0.152: v1(93.575,147.375) 96.35,147.375 99.342,144.383 105.542,144.383 v1(106.1,143.825)
TRACE_D3: U1.5 X2.5 | length 26.4
  Top Layer w0.152: U1.5@91.997,144.993 91.997,146.475 92.85,147.328 v1(92.85,148.35) ; v1(107,145.075) 107,140.48 X2.5@108.6,138.88
  Bottom Layer w0.152: v1(92.85,148.35) 96.15,148.35 99.813,144.687 106.612,144.687 v1(107,145.075)
TRST: U1.193 X2.6 | length 38.7
  Top Layer w0.152: U1.193@95.882,135.678 U1.193@95.847,135.643 97.732,135.643 v1(98.125,135.25) ; v1(103.75,134.5) 106.175,132.075 106.175,127.425 107.5,126.1 110.025,126.1 111.1,127.175 111.1,140.525 110.2,141.425 108.595,141.425 X2.6@108.6,141.42
  Bottom Layer w0.152: v1(98.125,135.25) 98.297,135.25 98.647,134.9 103.35,134.9 v1(103.75,134.5)
USART1_RX: U1.107 U9.2 | length 55
  Top Layer w0.3: v1(64.45,113.875) 64.85,113.475 69.05,113.475 69.497,113.922 U1.107@69.497,115.793 ; v1(67.4,108.725) 67.4,107.325 68.875,105.85 68.875,102 71.4,99.475 79.9,99.475 81.825,97.55 81.825,95.85 85.9,91.775 89.825,91.775 90.575,91.025 93.725,91.025 94.55,91.85 94.55,94.342 U9.2@94.545,94.347
  Bottom Layer w0.3: v1(64.45,113.875) 67.4,110.925 v1(67.4,108.725)
USART1_TX: U1.106 U9.3 | length 50.7
  Top Layer w0.3: v1(65.375,114.85) 65.375,114.839 65.989,114.225 68.75,114.225 68.997,114.472 U1.106@68.997,115.793 ; v1(69.2,109.575) 69.2,107.494 69.627,107.067 69.627,103.439 72.589,100.477 80.923,100.477 82.867,98.533 82.867,96.233 86.4,92.7 90.275,92.7 91.175,91.8 92.9,91.8 93.275,92.175 U9.3@93.275,94.347
  Bottom Layer w0.3: v1(65.375,114.85) 69.15,111.075 69.15,109.575 v1(69.2,109.575)
USART2_DE: U1.168 U8.2 U8.3 | length 32
  Top Layer w0.152: U1.168@95.847,123.143 98.468,123.143 v1(98.75,123.425) ; v1(100.1,119.85) 100.1,117.844 99.525,117.269 99.525,111.5 102.4,108.625 102.4,103.375 104.2,101.575 104.2,100.379 103.806,99.985 U8.3@102.467,99.985 U8.2@102.467,98.715
  Bottom Layer w0.152: v1(98.75,123.425) 98.75,122.3 100.1,120.95 v1(100.1,119.85)
USART2_RX: U1.172 U8.1 | length 38.5
  Top Layer w0.152: U1.172@95.847,125.143 97.193,125.143 97.275,125.225 98.25,125.225 99.725,123.75 v1(99.725,123.575) ; v1(101.3,119.875) 101.3,119.825 102.914,118.211 102.914,117.689 101.95,116.725 100.6,116.725 99.925,116.05 99.925,112.425 103.45,108.9 103.45,103.225 105.075,101.6 105.075,98.2 104.32,97.445 U8.1@102.467,97.445
  Bottom Layer w0.152: v1(99.725,123.575) 99.725,122.625 101.3,121.05 v1(101.3,119.875)
USART2_TX: U1.169 U8.4 | length 26.5
  Top Layer w0.152: U1.169@95.847,123.643 95.854,123.65 97.3,123.65 97.45,123.8 v1(97.825,123.8) ; v1(98.975,119.85) 98.975,110.875 101.425,108.425 101.425,102.297 U8.4@102.467,101.255
  Bottom Layer w0.152: v1(97.825,123.8) 97.825,121 v1(98.975,119.85)
USART6_DE: U1.181 X16.4 | length 34.8
  Top Layer w0.152: U1.181@95.847,129.643 98.318,129.643 v1(98.8,130.125) ; X16.4@109.285,114.425 109.285,117.435 v1(109.5,117.65) ; v1(111.45,117.9) 111.75,118.2 v1(111.75,124.725)
  Bottom Layer w0.152: v1(98.8,130.125) 101.5,130.125 104.972,126.653 109.978,126.653 111.3,127.975 112.25,127.975 112.825,127.4 112.825,125.8 v1(111.75,124.725) ; v1(109.5,117.65) 111.2,117.65 v1(111.45,117.9)
USART6_RX: U1.139 X16.1 | length 36
  Top Layer w0.152: U1.139@85.497,115.793 85.497,111.997 84.479,110.979 84.479,108.379 83.975,107.875 83.975,106.175 84.771,105.379 v1(99.429,105.379)
  Bottom Layer w0.152: v1(99.429,105.379) 100.25,106.2 100.25,113.01 X16.1@101.665,114.425
USART6_TX: U1.138 X16.3 | length 42.8
  Top Layer w0.152: U1.138@84.997,115.793 84.997,112.872 84.175,112.05 84.175,108.725 83.425,107.975 83.425,105.6 84.75,104.275 100.075,104.275 v1(100.525,104.725)
  Bottom Layer w0.152: v1(100.525,104.725) 101.95,106.15 101.95,111.175 102.525,111.75 105.75,111.75 106.745,112.745 X16.3@106.745,114.425
VCC_3: C6.2 C7.2 C8.2 C9.1 C10.1 C11.1 C12.1 C13.1 C14.1 C15.1 C17.2 C18.2 C19.1 C20.1 C21.1 C22.1 C23.1 C24.1 C25.1 C30.2 C31.1 C32.1 C33.1 C34.1 C35.1 C36.1 C37.1 C38.1 DA1.2 L1.2 L2.2 L3.1 R1.2 R2.1 R5.1 R6.2 R7.2 R8.2 R10.1 R11.1 R12.2 R13.1 R14.2 R16.2 R18.1 R19.2 R20.2 R22.2 R23.1 R29.1 R35.1 R40.1 R63.2 U1.15 U1.26 U1.39 U1.52 U1.59 U1.73 U1.83 U1.94 U1.103 U1.115 U1.118 U1.137 U1.150 U1.158 U1.171 U1.185 U1.204 U2.1 U2.3 U2.9 U2.15 U2.29 U2.35 U2.41 U2.43 U2.49 U2.55 U2.75 U2.81 U3.16 U5.3 U6.4 VT1.3 X1.1 X3.4 X9.6 X9.7 X9.46 X11.2 X14.1 | length 172.1
  Top Layer w0.25: v1@63.732,122.643 U1.94@66.647,122.643
  Top Layer w0.3: v1(57.05,163.725) R1.2@58.522,163.725 ; v1(63.55,122.825) v1@63.732,122.643 ; v1(64.875,118.125) 64.893,118.143 U1.103@66.647,118.143 U1.103@67.683,118.143 ; v1(64.875,132.875) 65.143,133.143 U1.73@66.647,133.143 ; v1(64.875,139.8) 65.218,140.143 U1.59@66.647,140.143 ; v1(65.107,128.143) U1.83@66.647,128.143 ; U1.52@68.497,144.993 68.497,146.597 v1(68.5,146.6) ; U6.4@69.583,91.275 v1(71.075,91.275) ; v1(73.497,114.178) U1.115@73.497,115.793 ; v1(74.525,146.575) 74.997,146.103 U1.39@74.997,144.993 U1.39@75,144.996 ; v1(74.75,114.175) 74.997,114.422 U1.118@74.997,115.793 ; v1@77.85,126.8 77.85,126.802 v1(77.854,126.806) ; U1.26@81.497,144.993 81.497,146.097 82.125,146.725 v1(82.275,146.725) ; v1(84.175,113.975) 84.497,114.297 U1.137@84.497,115.793 ; U1.15@86.997,144.993 v1(86.997,146.472) ; v1(90.997,114.228) U1.150@90.997,115.793 ; U1.158@95.847,118.143 v1(97.468,118.143) ; U1.171@95.847,124.643 97.568,124.643 v1(97.575,124.65) ; U1.185@95.847,131.643 97.107,131.643 97.45,131.3 v1(98.175,131.3) ; U1.204@95.847,141.143 97.593,141.143 v1(97.6,141.15) ; R14.2@98.275,161.3 98.95,161.975 v1(101.575,161.975) ; R16.2@98.275,167.2 v1(98.275,169.05) ; R10.1@101.875,149.425 R10.1@101.55,149.425 102.225,150.1 v1(105.3,150.1) ; L3.1@116.575,132.45 v1(116.575,133.45) ; U5.3@120.192,110.085 121.485,110.085 v1(121.5,110.1) ; R18.1@122.125,132.55 122.125,133.5 122.475,133.85 v1(124.375,133.85) C38.1@124.375,132 ; U3.16@125.425,125.85 v1(127.525,125.85) ; X3.4@144,143 145.7,143 146.15,143.45 v1(146.15,144.5)
  Top Layer w0.5: v1(54.275,105.675) R40.1@54.275,107.025 R35.1@54.275,110.217 R29.1@54.275,113.408 R23.1@54.275,116.6 ; R63.2@58.35,126.475 v1(60.75,126.475)
  Top Layer w1: DA1.2@115.075,94.8 v3(115.075,96.875)
  GND w0.3: v1@65.1,128.15 v1(65.107,128.143) ; v1(73.497,114.178) v1@73.5,114.175 ; v1(90.997,114.228) v1@91,114.225
  Bottom Layer w0.3: C12.1@63.5,139.4 63.525,139.375 64.45,139.375 v1(64.875,139.8) ; v1(63.55,122.825) 63.675,122.7 C15.1@63.675,121.475 ; C17.2@63.65,118.15 63.675,118.125 v1(64.875,118.125) ; C14.1@63.975,128.15 65.1,128.15 v1(65.107,128.143) ; C13.1@64.1,133.15 64.6,133.15 v1(64.875,132.875) ; C11.1@67.55,145.225 68.475,146.625 v1(68.5,146.6) ; v1(70.7,143.45) 70.7,144.25 L2.2@71.425,144.975 ; C10.1@71.625,148.175 v1(71.625,149.2) ; C18.2@72.5,113.181 C18.2@73,113.025 73,113.681 v1(73.497,114.178) ; C30.2@73.172,123.793 77.443,123.793 v1(77.75,124.1) ; C31.1@73.297,119.768 73.993,119.768 v1(74.725,120.5) ; C34.1@73.3,132.25 73.425,132.375 74.35,132.375 74.625,132.65 74.625,133.275 75.143,133.793 U2.29@76.247,133.793 77.468,133.793 77.725,134.05 77.725,134.5 78,134.775 v1(78,135.75) ; C33.1@73.347,137.493 73.347,139.493 73.647,139.793 77.618,139.793 v1@78.075,140.25 ; C33.1@73.872,137.343 74.422,136.793 U2.35@76.172,136.793 ; v1(74.75,114.175) 74.825,114.1 C19.1@74.825,113.025 ; U2.1@76.247,119.793 75.432,119.793 v1(74.725,120.5) ; U2.3@76.247,120.793 75.018,120.793 v1(74.725,120.5) ; U2.15@76.247,126.793 76.26,126.806 v1(77.854,126.806) ; U2.43@76.247,140.793 77.532,140.793 v1@78.075,140.25 ; L1.2@76.6,145 77.1,144.5 v1(77.1,143.1) ; v1(78.054,140.257) 78.068,140.257 v1@78.075,140.25 ; C20.1@79.75,113.025 80.625,113.025 v1(81.025,112.625) ; v1(82.275,146.725) 85,146.725 C9.1@85.4,147.125 C9.1@85.4,147.175 ; C21.1@83.1,113.125 83.325,113.125 v1(84.175,113.975) ; v1(86.997,146.472) 87.025,146.5 87.025,147.475 87.375,147.825 C8.2@88.35,147.825 ; U2.81@87.247,122.293 88.607,122.293 v1(88.65,122.25) 89.779,122.25 C32.1@90.122,122.593 ; U2.55@87.247,135.293 88.418,135.293 v1(88.425,135.3) 88.95,134.775 C37.1@90.119,134.775 ; U2.49@87.247,138.293 88.375,138.293 v1(88.4,138.318) 90.031,138.318 C36.1@90.131,138.218 ; U2.75@87.247,125.293 C35.1@90.047,125.293 ; X9.46@88.025,168.225 v1(88.025,170.725) ; v1(90.997,114.228) 91,114.225 C6.2@91,113.1 ; v1(97.468,118.143) 98.593,118.143 C22.1@98.825,118.375 ; v1(97.575,124.65) C23.1@98.95,124.625 ; v1(97.6,141.15) C25.1@98.775,141.15 ; v1(98.175,131.3) 98.65,131.3 C24.1@99.275,131.925 ; C24.1@99.325,131.65 99.35,131.625 C24.1@99.375,131.65 ; R13.1@100.275,161.975 v1(101.575,161.975) ; v1(105.3,148.3) 106.025,147.575 R5.1@106.025,146.225 R5.1@106.05,146.2 ; VT1.3@110.2,162.375 v1(111.6,162.375) ; R2.1@112.675,158.725 v1(113.825,158.725) ; v1(122.025,161.55) R22.2@123.825,161.55 ; v1(125.6,156.6) R20.2@126.8,156.6 ; C7.2@127.225,128.325 127.225,126.15 v1(127.525,125.85) ; R19.2@133.875,156.6 v1(135.1,156.6) ; R6.2@146.15,139 R7.2@146.15,141 R8.2@146.15,143 v1(146.15,144.5) R12.2@146.15,146 R11.1@146.15,148
  other v1: 88.65,125.3 68.525,163.225 132.1,165.75 68.025,170.725
VCC_5: HL5.1 L4.1 L5.1 R34.2 R46.2 R56.1 R67.1 U4.5 U7.5 U8.8 U9.1 VD1.2 VD4.1 X12.4 X15.3 X15.4 | length 175.1
  Top Layer w0.3: R56.1@93.85,97.25 96.938,97.25 U8.8@97.133,97.445 97.133,94.432 97.218,94.347 ; U9.1@95.815,94.347 97.218,94.347 ; R67.1@98.76,92.805 97.218,94.347 ; R46.2@125.475,100.9 127.3,100.9 128.625,99.575 U7.5@129.475,99.575 ; R34.2@129.175,85.9 130.05,85.9 130.35,85.6 130.35,83.825 ; 132.625,83.825 U4.5@132.625,86.425
  Top Layer w0.5: X12.4@68.65,80.65 70.575,78.725 101.7,78.725 104.35,81.375 104.35,90.975 ; HL5.1@119.55,100 119.575,99.975 121.55,99.975 123.05,98.475
  Top Layer w0.8: R67.1@98.76,92.805 102.52,92.805 104.35,90.975 VD1.2@107.275,90.975 107.275,84.565 X15.4@111.265,80.575 X15.3@113.805,80.575 113.805,83.205 v1(114.775,84.175) ; R46.2@125.475,100.9 123.05,98.475 123.05,90.15 119.175,86.275 116.875,86.275 v1(114.775,84.175) ; L5.1@145.65,101.348 L4.1@145.65,88.55 140.925,83.825 132.625,83.825 130.35,83.825 120.95,83.825 120.6,84.175 v1(114.775,84.175)
  Bottom Layer w0.8: VD4.1@113,90.781 113,85.95 v1(114.775,84.175)
Y: U9.5 X19.10 | length 19.1
  Top Layer w0.152: v1(92.005,87.71) U9.5@92.005,89.013
  Bottom Layer w0.152: v1(92.005,87.71) 92.005,90.65 93.035,91.68 97.535,91.68 98.76,90.455 98.76,83.3 X19.10@98.73,83.27
Z: U9.6 X19.8 | length 8
  Top Layer w0.152: v1(93.275,87.69) U9.6@93.275,89.013
  Bottom Layer w0.152: v1(93.275,87.69) 95.125,87.69 96.185,86.63 96.185,83.275 X19.8@96.19,83.27
pads on no net: DA1.4 R3.1 U2.14 U2.30 U2.57 U2.69 U2.70 U2.73 U5.5 X3. X5.S X6.6 X6.10 X6.11 X7.1 X7.2 X7.3 X7.4 X9. X9.45 X9.49 X9.50 X10.1 X10.6 X11. X11.4 X11.6 X19.2 Y2.0
copper on no net:
  other v1: 87.525,164.225 89.525,164.225 130.1,165.75 131.1,166.75 90.025,170.725
  other v2: 55,80 146,80 55,171 146,171

## Polygon pours and split planes (outlines as drawn)
GND on GND "GND" (solid, remove dead copper, pour order 4): 50.8,175.2 149.8,175.2 149.8,76.2 50.8,76.2
VCC_3 on VCC_3 "VCC_3" (solid, remove dead copper, pour order 6): 50.8,175.2 149.8,175.2 149.8,76.2 50.8,76.2

## Keep-outs
Keep-Out Layer:
  lines w0.3: 52.1,77.5 52.1,173.9 148.5,173.9 148.5,77.5 52.1,77.5

## Silkscreen, mask and mechanical layers (free items; w line width, h text height)
Drill Drawing:
  text ".LEGEND" at 141.052,90.17 h0.8
  text "Drill Drawing." at 141.052,87.63 h0.8

## Dimensions
52.1,77.5 to 52.1,173.9 on Mechanical 1
52.1,77.5 to 148.5,77.5 on Mechanical 1

## Text inside footprints (layer, text, board x,y; h text height)
U1: Top Overlay "10" at 90.247,148.318 h0.8 r180; Top Overlay "20" at 85.347,148.343 h0.8 r180; Top Overlay "30" at 80.347,148.318 h0.8 r180; Top Overlay "40" at 75.347,148.368 h0.8 r180; Top Overlay "50" at 70.297,148.368 h0.8 r180; Top Overlay "60" at 63.272,140.443 h0.8 r270; Top Overlay "70" at 63.297,135.443 h0.8 r270; Top Overlay "80" at 63.272,130.468 h0.8 r270; Top Overlay "90" at 63.272,125.468 h0.8 r270; Top Overlay "100" at 63.297,120.843 h0.8 r270; Top Overlay "110" at 69.847,112.443 h0.8; Top Overlay "120" at 74.797,112.443 h0.8; Top Overlay "130" at 79.747,112.418 h0.8; Top Overlay "140" at 84.747,112.418 h0.8; Top Overlay "150" at 89.747,112.418 h0.8; Top Overlay "160" at 98.247,120.393 h0.8 r270; Top Overlay "170" at 98.222,125.418 h0.8 r270; Top Overlay "180" at 98.222,130.393 h0.8 r270; Top Overlay "190" at 98.197,135.293 h0.8 r270; Top Overlay "200" at 98.222,140.468 h0.8 r270
U2: Bottom Overlay "80" at 90.047,123.693 h0.8 r90; Bottom Overlay "70" at 90.072,128.643 h0.8 r90; Bottom Overlay "60" at 90.047,133.618 h0.8 r90; Bottom Overlay "50" at 89.997,138.593 h0.8 r90; Bottom Overlay "40" at 73.397,138.493 h0.8 r270; Bottom Overlay "30" at 73.422,133.443 h0.8 r270; Bottom Overlay "20" at 73.397,128.543 h0.8 r270; Bottom Overlay "10" at 73.447,123.518 h0.8 r270; Bottom Overlay "1" at 73.622,119.568 h0.8 r270
X9: Top Overlay "1" at 65.625,161.975 h0.8 r180; Top Overlay "10" at 70.625,161.975 h0.8 r180; Top Overlay "20" at 75.925,161.975 h0.8 r180; Top Overlay "30" at 80.825,161.975 h0.8 r180; Top Overlay "40" at 85.825,161.975 h0.8 r180; Top Overlay "50" at 90.825,161.975 h0.8 r180
X11: Top Overlay "1" at 132.625,158.45 h0.8 r180